# Altium PCB Copy of cam_5nd_v1.3.PcbDoc (part 1 of 2)
Units mil, origin at the board's own origin, x right, y up, seen from the top; angles counter-clockwise.
Board outline 3947.04 x 3947.04 mil, 2 copper layers (Top Layer, Bottom Layer); 197 components, 137 nets, 676 pads, 267 vias.
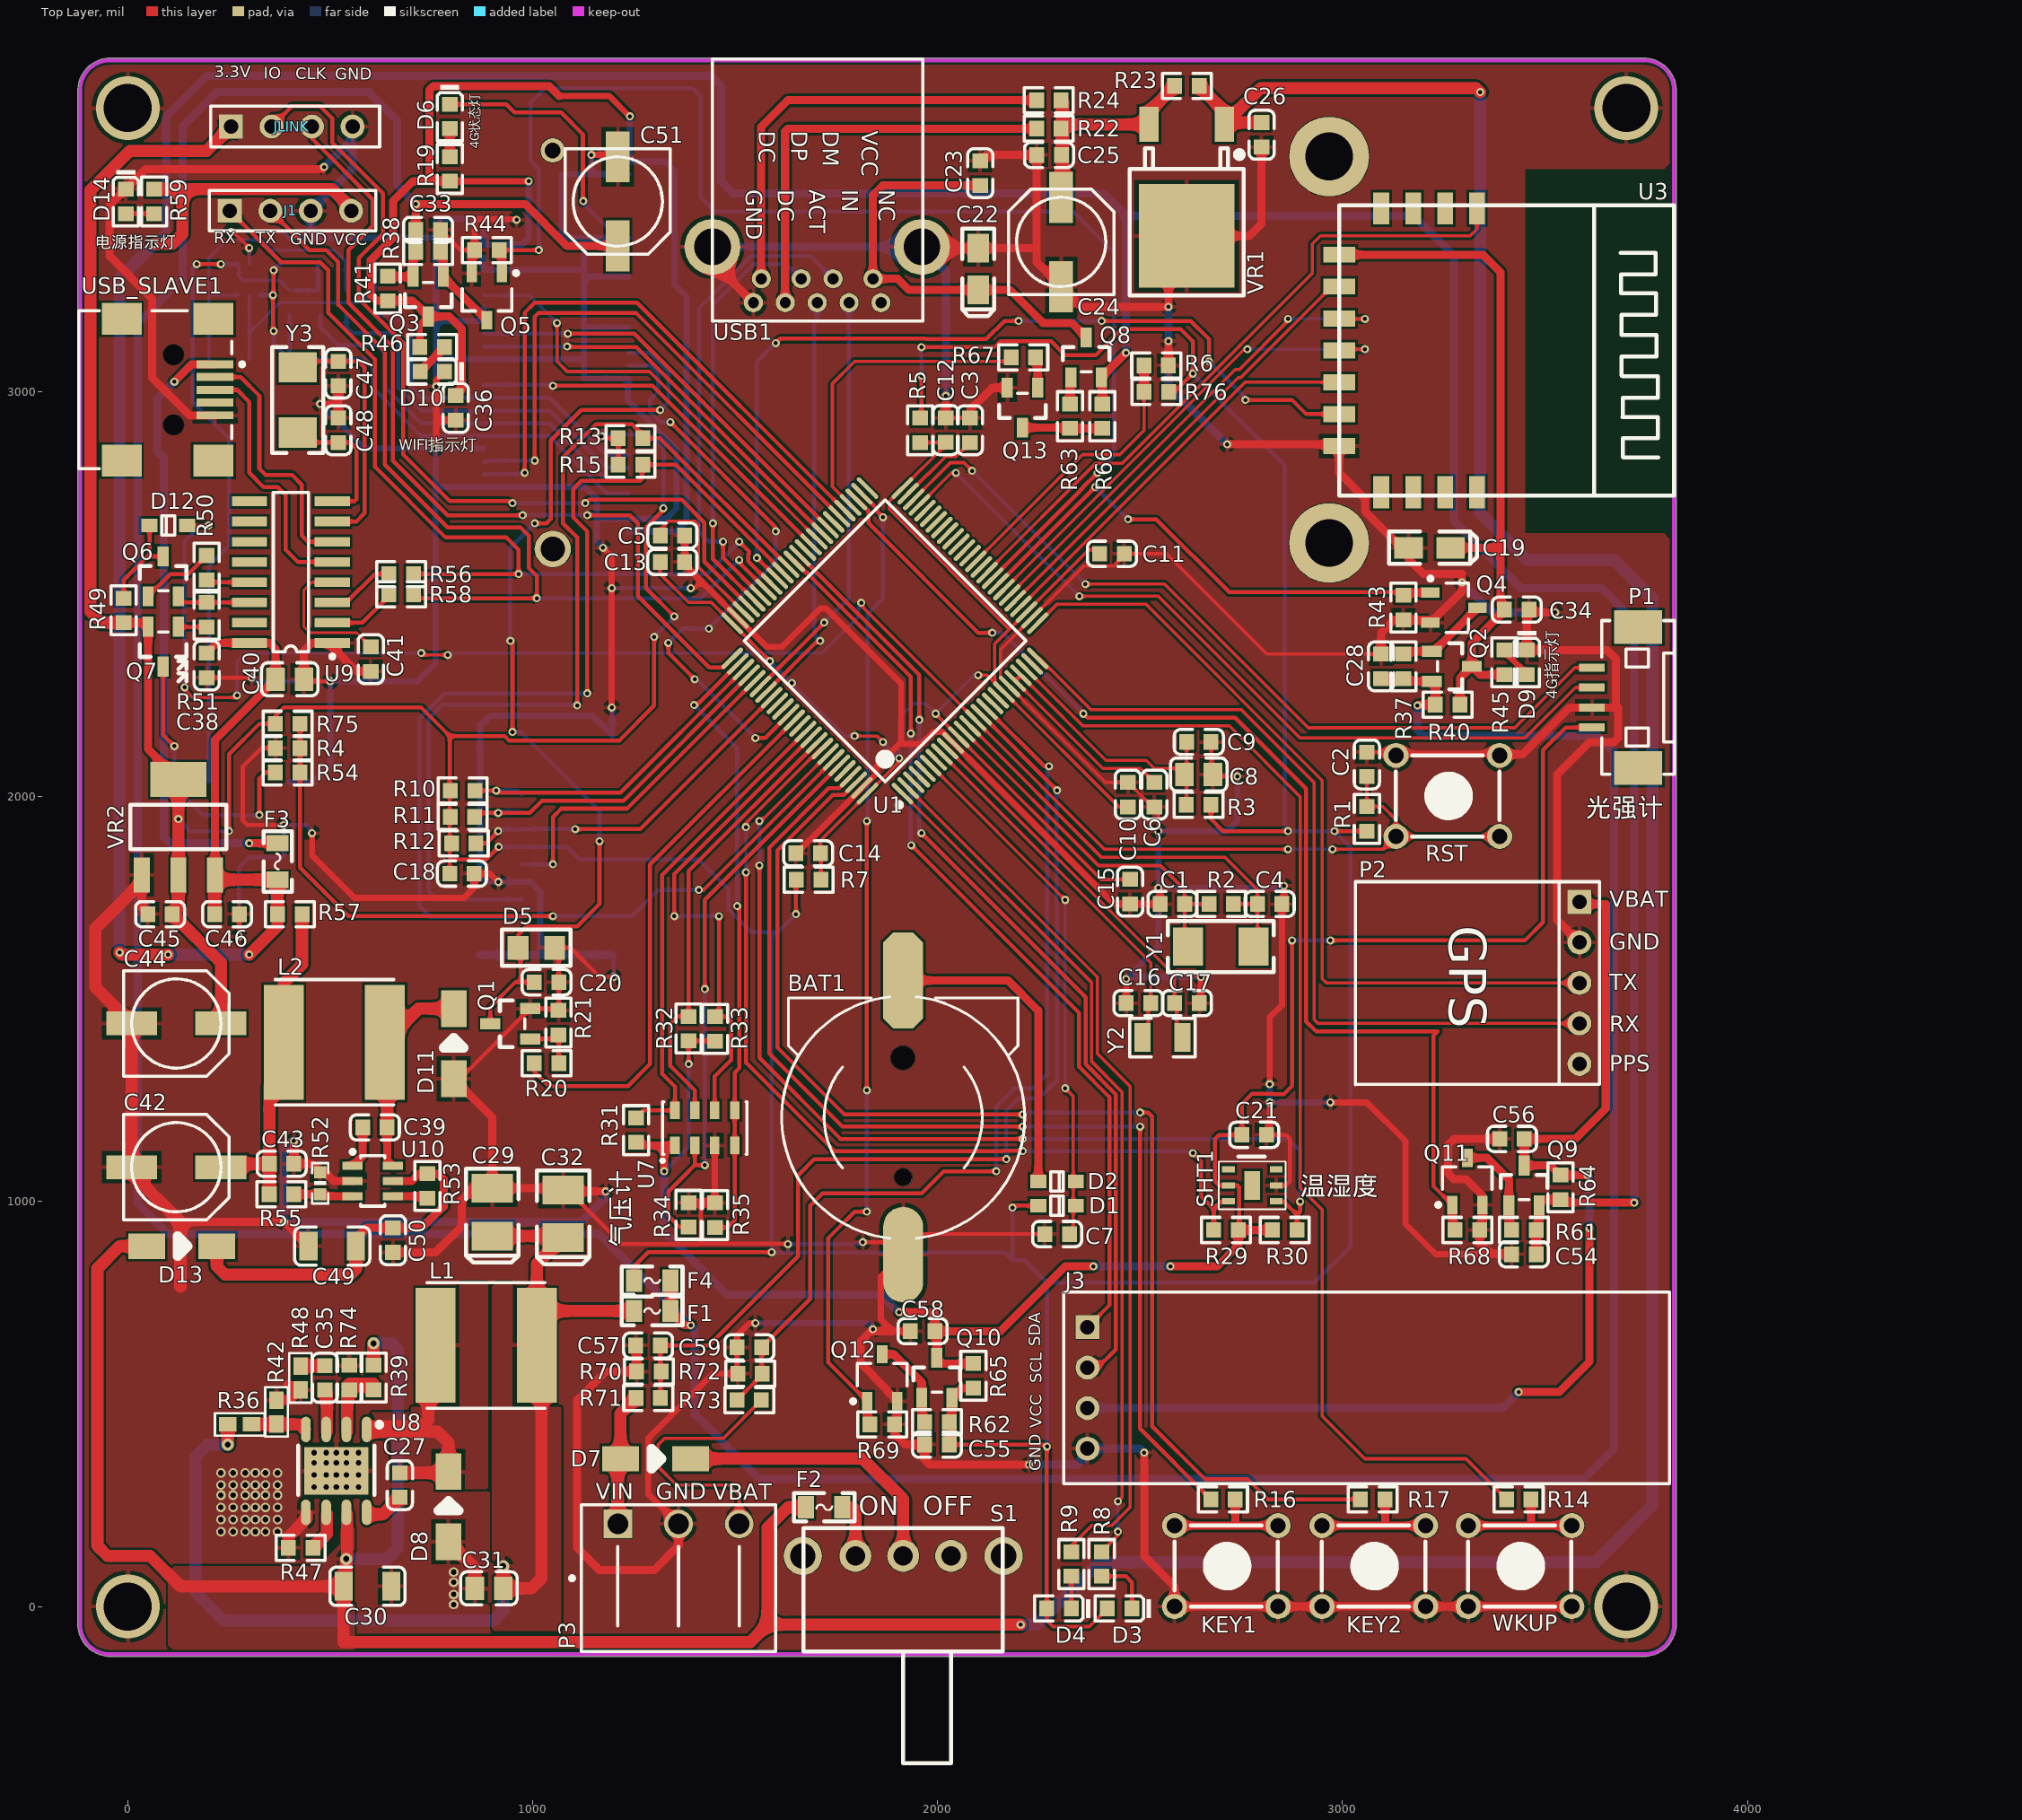
[diagram p0: Top Layer view]
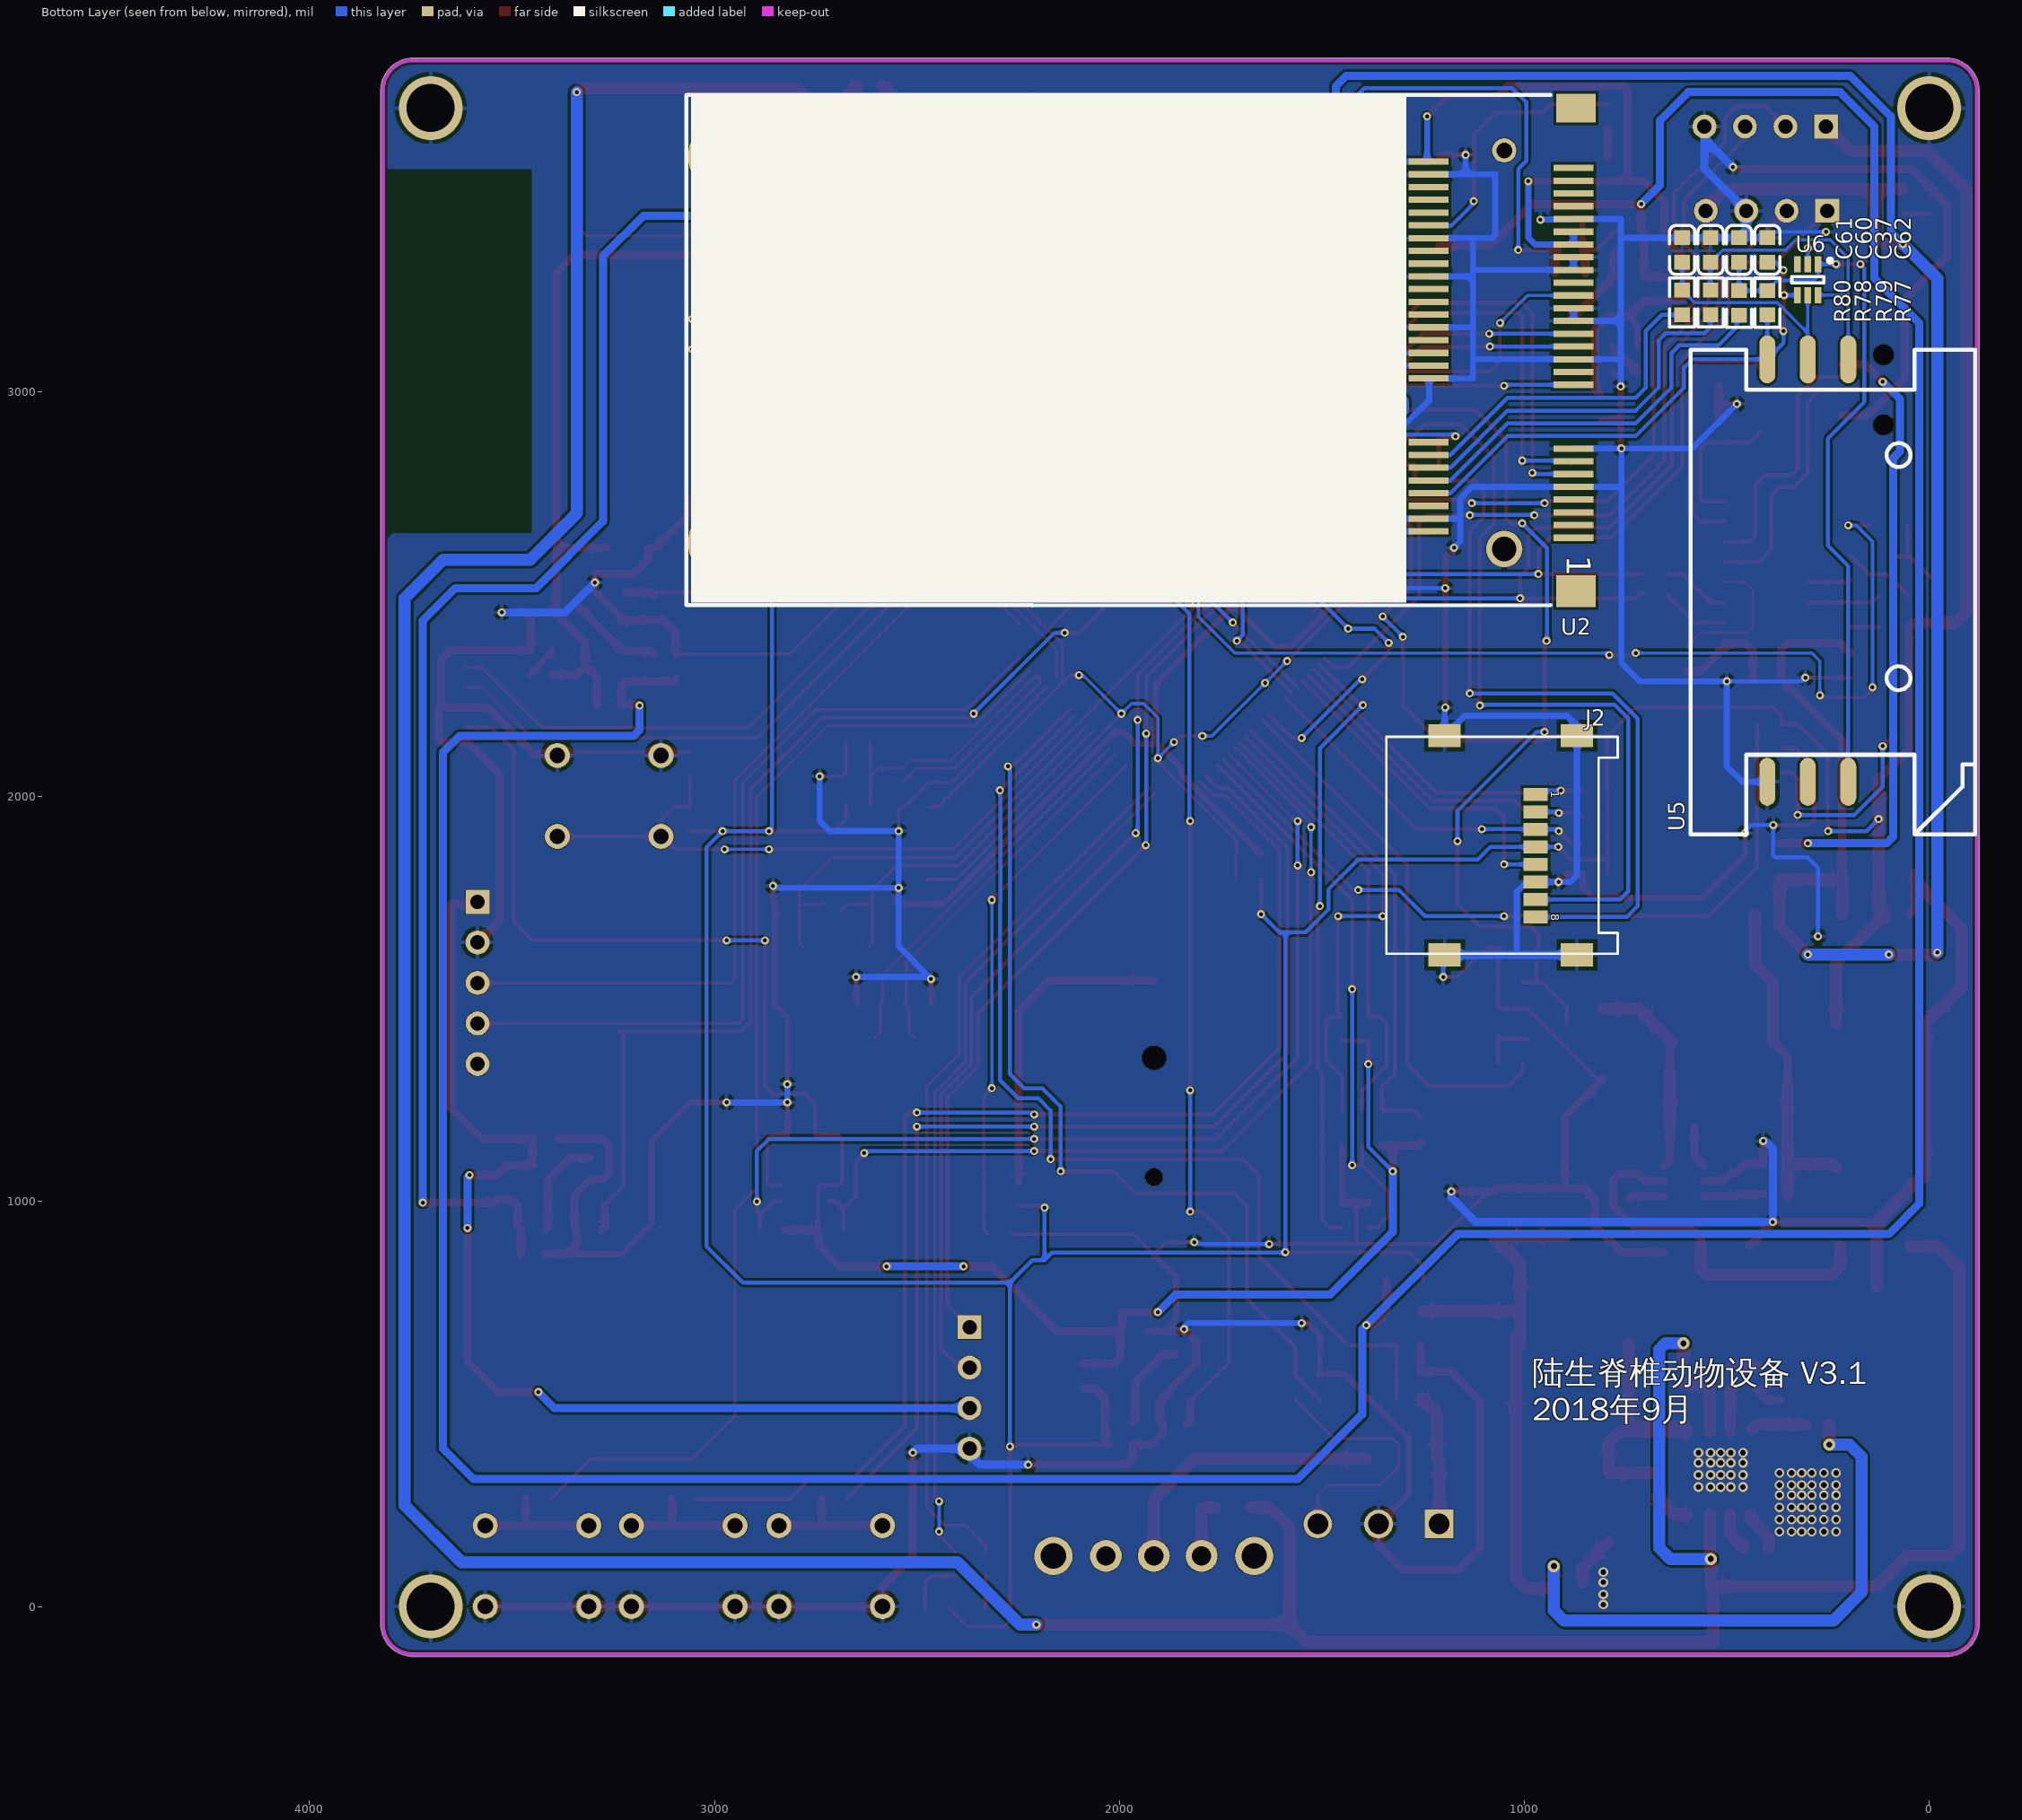
[diagram p1: Bottom Layer view, seen from below]

## Layer stack, top to bottom
Top Solder: solder mask 0.4, Solder Resist, Dk 3.5
Top Layer: signal copper 1.4
Dielectric 1: dielectric 12.6, FR-4, Dk 4.8
Bottom Layer: signal copper 1.4
Bottom Solder: solder mask 0.4, Solder Resist, Dk 3.5

## Board outline
-43.17,-123.13 cw(c-43.11,-43.11) -123.13,-43.11 -123.13,3746.89 cw(c-118.11,3746.89) -123.03,3747.88 cw(c-43.11,3743.9) -43.11,3823.91 3743.9,3823.91 cw(c3743.9,3743.9) 3823.81,3747.88 cw(c3818.9,3746.89) 3823.91,3746.89 3823.91,-43.11 cw(c3743.9,-43.11) 3743.9,-123.13 -43.11,-123.13 cw(c-43.11,-118.11)

## Design rules (kind name [scope] priority, off if disabled: settings)
Clearance [All] p1: gap=6 ignorepadtopadclearanceinfootprint=FALSE except(0: Arc-Hole Track-Hole SMDPad-Hole THPad-Hole Via-Hole Fill-Hole Poly-Hole Region-Hole Text-Hole; 1: THPad-Fill THPad-Poly THPad-Region Via-Fill Via-Poly Via-Region)
HoleSize [All] p1: absolutevalues=TRUE maxlimit=120 minlimit=1 maxpercent=80.000 minpercent=20.000
MinimumSolderMaskSliver [All] p1: minsoldermaskwidth=1
PolygonConnect [All] p1: connectstyle=Relief reliefconductorwidth=10 reliefentries=4 polygonreliefangle="90 Angle" airgapwidth=10
RoutingVias [All] p1: holewidth=10 width=20 viastyle="Through Hole" minholewidth=6 minwidth=10 maxholewidth=30 maxwidth=50
SolderMaskExpansion [All] p1: expansion=4
Width [All] p1: maxlimit=50 minlimit=6 preferedwidth=10 minimp=50.000000 maximp=50.000000 favimp=50.000000
28 further rules are at their usual default settings.

## Classes and differential pairs
component class PWR&4G: C27 C28 C29 C30 C31 C32 C33 C34 C35 C36 C38 C39 C40 C41 C42 C43 C44 C45 C46 C47 C48 C49 C50 C51 C54 C55 C56 C57 C58 C59 D7 D8 D9 D10 D11 D12 D13 D14 F1 F2 F3 F4 L1 L2 P3 Q2 Q3 Q4 Q5 Q6 Q7 Q8 Q9 Q10 Q11 Q12 Q13 R36 R37 R38 R39 R40 R41 R42 R43 R44 R45 R46 R47 R48 R49 R50 R51 R52 R53 R54 R55 R56 R57 R58 R59 R61 R62 R63 R64 R65 R66 R67 R68 R69 R70 R71 R72 R73 R74 S1 U8 U9 U10 USB_SLAVE1 VR2 Y3
component class Device.SchDocEC25: C19 C20 C21 C22 C23 C24 C25 C26 C37 C60 C61 C62 D5 D6 J3 P1 P2 Q1 R19 R20 R21 R22 R23 R24 R29 R30 R31 R32 R33 R34 R35 R77 R78 R79 R80 SHT1 U2 U3 U5 U6 U7 USB1 VR1
component class cam_v1.2: BAT1 C1 C2 C3 C4 C5 C6 C7 C8 C9 C10 C11 C12 C13 C14 C15 C16 C17 C18 D1 D2 D3 D4 J1 J2 JLINK KEY1 KEY2 R1 R2 R3 R4 R5 R6 R7 R8 R9 R10 R11 R12 R13 R14 R15 R16 R17 R75 R76 RST U1 WKUP Y1 Y2

## Components (designator, comment, footprint, x,y, rotation, side; value= is the part's Value field where it differs from the comment)
BAT1 "BATT" BATM 1915,1207.57 r180 top
C1 "22pF (220) 5% 50V" 0603_C 2579.69,1735 r180 top
C2 "100nF (104) 10% 50V" 0603_C 3060,2079.68 r270 top
C3 "2.2uF (225) 10% 16V" 0603_C 2080,2905 r270 top
C4 "22pF (220) 5% 50V" 0603_C 2820,1735 r0 top
C5 "2.2uF (225) 10% 16V" 0603_C 1345,2645 r180 top
C6 "100nF (104) 10% 50V" 0603_C 2535,2005.32 r90 top
C7 "100nF (104) 10% 50V" 0603_C 2295,920 r180 top
C8 "10uF (106) 10% 25V" 0805_C 2644.72,2055 r180 top
C9 "100nF (104) 10% 50V" 0603_C 2645,2135 r180 top
C10 "100nF (104) 10% 50V" 0603_C 2470,2005.32 r90 top
C11 "100nF (104) 10% 50V" 0603_C 2430.32,2600 r0 top
C12 "100nF (104) 10% 50V" 0603_C 2020,2905.32 r90 top
C13 "100nF (104) 10% 50V" 0603_C 1345,2580 r0 top
C14 "100nF (104) 10% 50V" 0603_C 1680,1860 r180 top
C15 "100nF (104) 10% 50V" 0603_C 2475,1765.32 r270 top
C16 "10pF (100) 5% 50V" 0603_C 2495.79,1490 r180 top
C17 "10pF (100) 5% 50V" 0603_C 2615.79,1490 r0 top
C18 "100nF (104) 10% 50V" 0603_C 825.31,1810 r180 top
C19 "4.7uF" CASE-A_3216 3215,2615 r0 top
C20 "100nF (104) 10% 50V" 0603_C 1034.1,1541.8 r180 top
C21 "100nF (104) 10% 50V" 0603_C 2781.57,1165 r0 top
C22 "10uF (106) ±10% 16V" CASE-A_3216 2100,3303.43 r270 top
C23 "100nF (104) 10% 50V" 0603_C 2105,3540 r90 top
C24 "220uF" CC6.56.5 2305,3370 r270 top
C25 "100nF (104) 10% 50V" 0603_C 2275,3585 r0 top
C26 "330nF (334) 10% 25V" 0603_C 2800,3634.68 r90 top
C27 "100nF (104) 10% 50V" 0603_C 671.89,300 r90 top
C28 "1uF (105) 10% 50V" 0603_C 3095,2321.89 r270 top
C29 "100uF (107) ±10% 6.3V" CASE-B_3528 900,974.06 r270 top
C30 "10uF (106) 10% 50V" 1206_C 591.89,50 r180 top
C31 "22uF (226) 20% 25V" 0805_C 891.89,45 r0 top
C32 "100uF (107) ±10% 6.3V" CASE-B_3528 1075,970 r270 top
C33 "1uF (105) 10% 50V" 0603_C 741.57,3400 r180 top
C34 "1uF (105) 10% 50V" 0603_C 3430,2461.89 r180 top
C35 "220pF (221) 10% 50V" 0603_C 486.89,565 r270 top
C36 "1uF (105) 10% 50V" 0603_C 810,2960.32 r90 top
C37 "33pF (330) 5% 50V" 0603_C 470,3350 r90 bottom
C38 "100nF (104) 10% 50V" 0603_C 195,2324.37 r90 top
C39 "10nF (103) 10% 50V" 0603_C 610.32,1183.39 r0 top
C40 "10uF (106) 10% 25V" 0805_C 400,2290 r180 top
C41 "100nF (104) 10% 50V" 0603_C 600,2340 r270 top
C42 "220uF" CC6.56.5 120,1085 r180 top
C43 "100nF (104) 10% 50V" 0603_C 380,1093.39 r180 top
C44 "220uF" CC6.56.5 120,1440 r180 top
C45 "100nF (104) 10% 50V" 0603_C 79.68,1710 r0 top
C46 "100nF (104) 10% 50V" 0603_C 245,1710 r180 top
C47 "22pF (220) 5% 50V" 0603_C 520,3045 r90 top
C48 "22pF (220) 5% 50V" 0603_C 520,2905 r270 top
C49 "10uF (106) 10% 50V" 1206_C 505,890 r0 top
C50 "100nF (104) 10% 50V" 0603_C 655,905 r90 top
C51 "220uF" CC6.56.5 1210,3470 r90 top
C54 "1uF (105) 10% 50V" 0603_C 3447.8,870 r0 top
C55 "1uF (105) 10% 50V" 0603_C 1998.11,400 r0 top
C56 "1uF (105) 10% 50V" 0603_C 3418.43,1155 r0 top
C57 "100nF (104) 10% 50V" 0603_C 1285,645 r0 top
C58 "1uF (105) 10% 50V" 0603_C 1962.8,680 r0 top
C59 "100nF (104) 10% 50V" 0603_C 1535,640 r0 top
C60 "33pF (330) 5% 50V" 0603_C 540,3350 r90 bottom
C61 "33pF (330) 5% 50V" 0603_C 610,3350 r90 bottom
C62 "33pF (330) 5% 50V" 0603_C 400,3350 r90 bottom
D1 "1N4148WS T4" SOD-323 2295,990 r180 top
D2 "1N4148WS T4" SOD-323 2295,1050 r180 top
D3 "绿灯 0603" 0603_LED_S1 2449.69,-5 r180 top
D4 "黄灯 0603" 0603_LED_S1 2300,-5 r180 top
D5 "LESD3Z5.0T1G" D0805 1008.78,1626.8 r180 top
D6 "蓝灯 0603" 0603_LED_S1 795,3680 r270 top
D7 "SS34" SMA(DO-214AC) 1303.39,365 r0 top
D8 "SS34" SMA(DO-214AC) 791.89,246.61 r90 top
D9 "蓝灯 0603" 0603_LED_S1 3455,2331.89 r270 top
D10 "蓝灯 0603" 0603_LED_S1 752.2,3050 r180 top
D11 "SS34" SMA(DO-214AC) 805,1390 r90 top
D12 "1N4148WS T4" SOD-323 100,2670 r0 top
D13 "SS34" SMA(DO-214AC) 133.39,890 r0 top
D14 "红灯 0603" 0603_LED_S1 -5,3470.32 r270 top
F1 "3.3V,1A" "FU 0805" 1295,730 r0 top
F2 "12V,1A" "FU 0805" 1720,245 r180 top
F3 "5V,1A" "FU 0805" 370,1840 r270 top
F4 "NC" "FU 0805" 1295,805 r0 top
J1 "Debug" "4P - UART - 2" 251.89,3446.89 r0 top
J2 "TF_Card" SDCARD_SLOT 1055,1880 r270 bottom
J3 "OLED 0.91" "4P - OLED" 2370,690 r0 top
JLINK "4-Pin" "4P - JLINK" 255,3655 r0 top
KEY1 "KEY" KEY_M 2585,200 r0 top
KEY2 "KEY" KEY_M 2949.09,200 r0 top
L1 "10uH" L_SOP74 1010,645 r180 top
L2 "4.7uH" L_SOP74 385,1393.39 r0 top
P1 "GH1.25_MAX44009" "TX1.25 SMD-4P" 3730,2245 r90 top
P2 "Header 5 GPS" 5p-gps 3585,1740 r270 top
P3 "Port" HDR_3R81X3_15EDG 1360,70 r0 top
Q1 "SS8050 Y1" SOT-23(SOT-23-3) 944.57,1439.2 r0 top
Q2 "SI2301CDS-T1-GE3" SOT-23(SOT-23-3) 3270,2321.89 r180 top
Q3 "SI2301CDS-T1-GE3" SOT-23(SOT-23-3) 741.89,3235 r90 top
Q4 "AO3400A N道沟 X0YV1T SOT-23" SOT-23-3L 3275,2466.89 r180 top
Q5 "AO3400A N道沟 X0YV1T SOT-23" SOT-23-3L 886.89,3235 r90 top
Q6 "SS8050 Y1" SOT-23(SOT-23-3) 87.6,2544.21 r270 top
Q7 "SS8550 Y2" SOT-23(SOT-23-3) 87.6,2370.79 r90 top
Q8 "SI2301CDS-T1-GE3" SOT-23(SOT-23-3) 2366.89,3085 r270 top
Q9 "SI2301CDS-T1-GE3" SOT-23(SOT-23-3) 3448.11,1040 r270 top
Q10 "SI2301CDS-T1-GE3" SOT-23(SOT-23-3) 1998.11,565 r270 top
Q11 "AO3400A N道沟 X0YV1T SOT-23" SOT-23-3L 3308.11,1050 r270 top
Q12 "AO3400A N道沟 X0YV1T SOT-23" SOT-23-3L 1863.11,565 r270 top
Q13 "SS8050 Y1" SOT-23(SOT-23-3) 2209.49,2960.79 r90 top
R1 "10KΩ (1002) ±1%" 0603_R 3060,1945.32 r270 top
R2 "1MΩ (1004) ±1%" 0603_R 2700.32,1735 r180 top
R3 "10Ω (10R0) ±1%" 0603_R 2644.69,1980 r180 top
R4 "10KΩ (1002) ±1%" 0603_R 395,2120 r180 top
R5 "0Ω (0R0) ±1%" 0603_R 1956.89,2905 r270 top
R6 "10KΩ (1002) ±1%" 0603_R 2539.68,3065 r0 top
R7 "0Ω (0R0) ±1%" 0603_R 1681.57,1795 r0 top
R8 "1KΩ (1001) ±1%" 0603_R 2405,105 r270 top
R9 "1KΩ (1001) ±1%" 0603_R 2330,105 r270 top
R10 "47KΩ (4702) ±1%" 0603_R 826.89,2015 r180 top
R11 "47KΩ (4702) ±1%" 0603_R 826.57,1950 r180 top
R12 "47KΩ (4702) ±1%" 0603_R 829.69,1885 r180 top
R13 "47KΩ (4702) ±1%" 0603_R 1241.57,2885 r180 top
R14 "10KΩ (1002) ±1%" 0603_R 3435,265 r0 top
R15 "47KΩ (4702) ±1%" 0603_R 1241.57,2820 r180 top
R16 "10KΩ (1002) ±1%" 0603_R 2704.68,265 r0 top
R17 "10KΩ (1002) ±1%" 0603_R 3074.68,265 r0 top
R19 "10KΩ (1002) ±1%" 0603_R 795,3550.32 r270 top
R20 "4.7KΩ (4701) ±1%" 0603_R 1034.09,1341.8 r0 top
R21 "4.7KΩ (4701) ±1%" 0603_R 1063.78,1442.11 r90 top
R22 "0Ω (0R0) ±1%" 0603_R 2274.68,3650 r0 top
R23 "NC" 0603_R 2615.32,3755 r180 top
R24 "NC" 0603_R 2274.69,3720 r180 top
R29 "10KΩ (1002) ±1%" 0603_R 2712.2,930 r0 top
R30 "10KΩ (1002) ±1%" 0603_R 2856.89,930 r0 top
R31 "4.7KΩ (4701) ±1%" 0603_R 1255,1176.57 r270 top
R32 "4.7KΩ (4701) ±1%" 0603_R 1385,1427.2 r270 top
R33 "4.7KΩ (4701) ±1%" 0603_R 1450,1426.57 r270 top
R34 "1KΩ (1001) ±1%" 0603_R 1385,967.2 r270 top
R35 "1KΩ (1001) ±1%" 0603_R 1450,966.57 r270 top
R36 "124K" R1608(0603) 276.42,450 r180 top value=124k
R37 "100KΩ (1003) ±1%" 0603_R 3150,2321.57 r270 top
R38 "100KΩ (1003) ±1%" 0603_R 741.57,3345 r180 top
R39 "100KΩ (1003) ±1%" 0603_R 606.89,565.31 r90 top
R40 "NC" 0603_R 3259.69,2226.89 r180 top
R41 "NC" 0603_R 641.89,3255 r90 top
R42 "40.2k" R1608(0603) 366.89,480.47 r270 top value=40.2K
R43 "100KΩ (1003) ±1%" 0603_R 3150,2467.2 r90 top